# KiCad board [DFR1144][M027.00940](V1.0.0).kicad_pcb (continued)
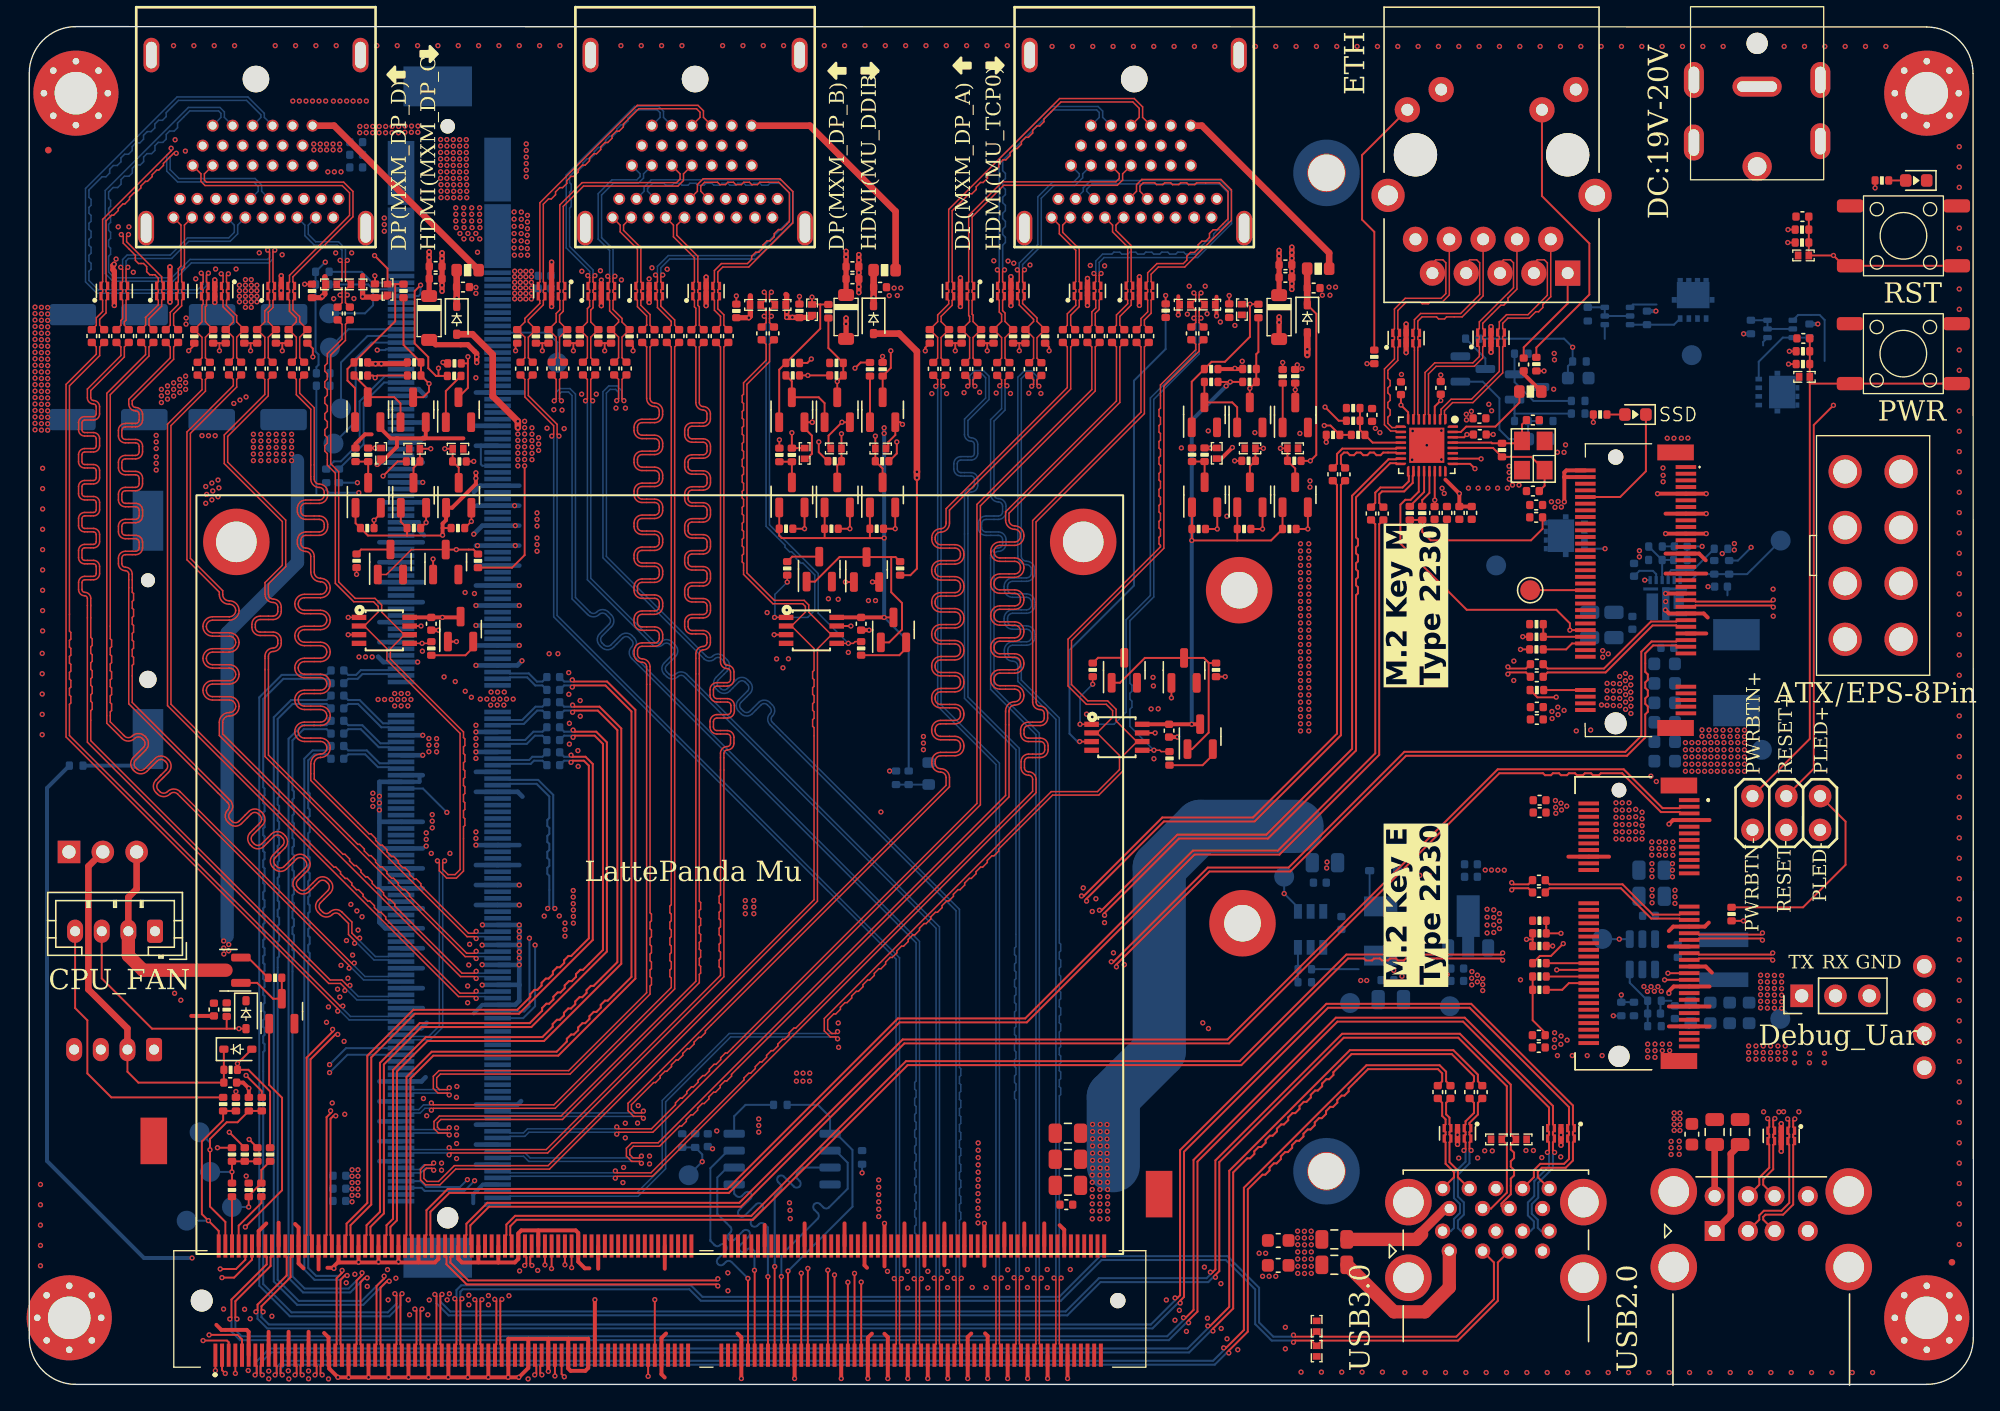
[diagram p0: board, top side]
## Routing (per net, layer and track width the routed paths; a pad name or vN(x,y) marks a point on that pad's centre or on a via; arc(x,y) is an arc through that point) (continued)
/LattePanda Module/REFCLK2-: length 72
  In1.SIG1 w0.154: v1(38.5,0.71) 38.37,0.84 38.37,1.36 38.48,1.47 A1.99
  In6.SIG3 w0.154: v1(38.5,0.71) 38.37,0.84 38.37,2.26 37.1,3.53 23.05,3.53 22.26,4.32 22.26,15.39 39.35,32.48 39.35,35.63 v1(39.47,35.75)
  In8.SIG4 w0.154: J11.153 36,45.51 36.1,45.41 38.22,45.41 39.35,44.28 39.35,35.87 v1(39.47,35.75)
/LattePanda Module/REFCLK3+: length 111.7
  In1.SIG1 w0.154: v1(130.93,32.41) 130.81,32.29 125.39,32.29 125.29,32.39 J6.47 ; A1.88 35.73,11.12 35.83,11.22 35.83,12.01 36.48,12.66 54.22,12.66 65.84,24.28 90.9,24.28 98.91,32.29 110.53,32.29 v1(110.65,32.41)
  In6.SIG3 w0.154: v1(130.93,32.41) 130.81,32.29 110.77,32.29 v1(110.65,32.41)
/LattePanda Module/REFCLK3-: length 111.7
  In1.SIG1 w0.154: A1.90 36.23,11.12 36.12,11.22 36.12,11.88 36.6,12.37 54.34,12.37 65.96,23.99 91.03,23.99 99.03,31.99 100.24,31.99 100.38,31.85 100.84,31.85 100.98,31.99 101.44,31.99 101.58,31.85 102.04,31.85 102.18,31.99 102.64,31.99 102.78,31.85 103.24,31.85 103.38,31.99 103.84,31.99 103.98,31.85 104.44,31.85 104.58,31.99 110.53,31.99 v1(110.65,31.87) ; J6.49 125.29,31.89 125.39,31.99 130.81,31.99 v1(130.93,31.87)
  In6.SIG3 w0.154: v1(130.93,31.87) 130.81,31.99 110.77,31.99 v1(110.65,31.87)
/LattePanda Module/SOC_SMBCLK: length 80.6
  In1.SIG1 w0.15: v1(40.23,8.98) A1.106
  In3.SIG2 w0.15: v1(40.23,8.98) 40.23,8.48 39.72,7.97 30.38,7.97 25.76,12.59 25.76,21.95 20.88,26.83 20.88,58.75 26.62,64.48 26.62,66.34 25.21,67.74 v1(24.64,67.74)
  In8.SIG4 w0.15: R105.1 v1(24.64,67.74)
/LattePanda Module/SOC_SMBDATA: length 82.2
  In1.SIG1 w0.15: v1(40.73,8.77) 40.73,8.78 A1.108
  In3.SIG2 w0.15: v1(40.73,8.77) 40.73,8.35 40.06,7.67 30.25,7.67 25.46,12.47 25.46,21.83 20.58,26.71 20.58,58.87 26.32,64.6 26.32,65.42 v1(24.75,66.99)
  In8.SIG4 w0.15: R104.1 22.3,67.2 22.51,66.99 v1(24.75,66.99)
/LattePanda Module/SUSCLK_WIFI: length 116
  In1.SIG1 w0.15: R49.2 113.26,51.61 114.66,51.61 v1(114.67,51.63) ; v1(115.2,33.11) 114.28,32.19 113.45,32.19 R53.2 ; A1.131 v1(46.48,0.6)
  In3.SIG2 w0.15: v1(46.48,0.6) 47.26,1.39 75.1,1.39 84.25,10.54 84.25,19.56 90.64,25.95 111.21,25.95 115.2,29.94 v1(115.2,33.11) 113.17,35.14 113.17,50.12 v1(114.67,51.63)
/LattePanda Module/USB_2_P7+: length 108.9
  In1.SIG1 w0.154: J6.3 124.04,43.39 123.93,43.29 122.66,43.29 119.74,46.21 110.28,46.21 89.98,25.91 65.59,25.91 53.32,13.64 34.4,13.64 32.83,12.07 32.83,11.22 32.73,11.12 A1.76
/LattePanda Module/USB_2_P7-: length 108.9
  In1.SIG1 w0.154: A1.78 33.12,10.5 33.12,11.94 34.52,13.35 53.44,13.35 65.71,25.62 90.11,25.62 110.4,45.91 113.68,45.91 113.83,45.77 114.28,45.77 114.43,45.91 114.88,45.91 115.03,45.77 115.48,45.77 115.63,45.91 116.08,45.91 116.23,45.77 116.68,45.77 116.83,45.91 117.28,45.91 117.43,45.77 117.88,45.77 118.03,45.91 119.62,45.91 122.54,42.99 123.93,42.99 124.04,42.89 J6.5
/LattePanda Module/~{PWR_SW}: length 167.5
  In1.SIG1 w0.15: A1.1 v1(13.98,1.03) ; R65.2 v1(132.12,76.65)
  In3.SIG2 w0.15: v1(13.98,1.03) 15.83,2.89 74.48,2.89 82.75,11.16 82.75,20.18 98.93,36.36 98.93,54.37 103.89,59.33 115.57,59.33 132.12,75.88 v1(132.12,76.65)
/M.2 E&M Key/CON_PCIE_TX_0+: length 11.9
  In1.SIG1 w0.154: J6.35 124.04,35.39 123.93,35.29 121.93,35.29 119.65,37.57 114.17,37.57 C41.2
/M.2 E&M Key/CON_PCIE_TX_0-: length 11.9
  In1.SIG1 w0.154: J6.37 124.04,34.89 123.93,34.99 121.81,34.99 119.53,37.27 114.17,37.27 C42.2
/M.2 E&M Key/CON_PCIE_TX_1+: length 12.4
  In1.SIG1 w0.154: C35.2 114.02,53.48 118.38,53.48 121.91,57.01 123.68,57.01 123.79,56.91 J5.49
/M.2 E&M Key/CON_PCIE_TX_1-: length 12.4
  In1.SIG1 w0.154: J5.47 123.79,57.41 123.68,57.31 121.79,57.31 118.26,53.78 114.02,53.78 C36.2
/MXM/PEX_RX0+: length 4
  In8.SIG4 w0.154: J11.149 36,46.51 36.1,46.62 37.66,46.62 37.9,46.85 38.54,46.85 C88.2
/MXM/PEX_RX0-: length 4
  In8.SIG4 w0.154: C87.2 38.54,47.15 37.78,47.15 37.54,46.91 36.1,46.91 36,47.01 J11.147
/MXM/PEX_RX1+: length 4.1
  In8.SIG4 w0.154: J11.143 36,48.01 36.1,48.12 37.36,48.12 37.98,48.74 38.54,48.74 C90.2
/MXM/PEX_RX1-: length 4.1
  In8.SIG4 w0.154: J11.141 36,48.51 36.1,48.41 37.24,48.41 37.86,49.03 38.54,49.03 C89.2
/MXM/PEX_RX2+: length 4.3
  In8.SIG4 w0.154: C92.2 38.54,50.62 38.14,50.62 37.14,49.62 36.1,49.62 36,49.51 J11.137
/MXM/PEX_RX2-: length 4.3
  In8.SIG4 w0.154: J11.135 36,50.01 36.1,49.91 37.02,49.91 38.02,50.91 38.54,50.91 C91.2
/MXM/PEX_RX3+: length 4.1
  In8.SIG4 w0.154: J11.123 36,53.01 36.1,53.12 37.39,53.12 38,52.51 38.54,52.51 C94.2
/MXM/PEX_RX3-: length 4.1
  In8.SIG4 w0.154: J11.121 36,53.51 36.1,53.41 37.51,53.41 38.12,52.8 38.54,52.8 C93.2
/MXM/PEX_STD_SW#: length 6.3
  In8.SIG4 w0.15: TP12.1 39.65,78.28 R110.2 J11.19
/MXM/PEX_TX0+: length 4.9
  In8.SIG4 w0.154: J11.150 27.1,46.26 26.99,46.37 26.19,46.37 25.22,47.33 23.95,47.33 C134.2
/MXM/PEX_TX0-: length 4.9
  In8.SIG4 w0.154: C133.2 23.95,47.63 25.35,47.63 26.31,46.66 26.99,46.66 27.1,46.76 J11.148
/MXM/PEX_TX1+: length 5
  In8.SIG4 w0.154: J11.144 27.1,47.76 26.99,47.87 26.25,47.87 24.89,49.22 23.95,49.22 C136.2
/MXM/PEX_TX1-: length 5
  In8.SIG4 w0.154: J11.142 27.1,48.26 26.99,48.16 26.37,48.16 25.01,49.52 23.95,49.52 C135.2
/MXM/PEX_TX2+: length 5.2
  In8.SIG4 w0.154: J11.138 27.1,49.26 26.99,49.37 26.44,49.37 24.69,51.11 23.95,51.11 C138.2
/MXM/PEX_TX2-: length 5.2
  In8.SIG4 w0.154: C137.2 23.95,51.41 24.81,51.41 26.56,49.66 26.99,49.66 27.1,49.76 J11.136
/MXM/PEX_TX3+: length 4.6
  In8.SIG4 w0.154: J11.122 27.1,53.26 26.99,53.37 25.02,53.37 24.66,53 23.95,53 C140.2
/MXM/PEX_TX3-: length 4.6
  In8.SIG4 w0.154: C139.2 23.95,53.3 24.54,53.3 24.9,53.66 26.99,53.66 27.1,53.76 J11.120
/MXM/PWR_LEVEL: length 8.8
  In8.SIG4 w0.15: J11.18 23.96,79.26 TP14.1 R108.1
/PSU/PWR_EN: length 7.8
  In3.SIG2 w0.15: v1(119.56,29.26) 119.56,32.48 119.41,32.63 v1(119.41,33.45)
  In8.SIG4 w0.15: TP5.1 118.14,33.45 v1(119.41,33.45) U10.4 ; v1(119.56,29.26) R63.2 R68.2
/PSU/PWR_LED: length 15.8
  In1.SIG1 w0.15: JP3.6 136.4,42.28 136.4,39.03 133.21,35.84 R64.2
/PSU/PWR_SW: length 47.2
  In1.SIG1 w0.15: 133.72,75.18 D10.2 133.72,78.58 C51.1 ; 133.72,75.18 133.72,48.5 JP3.4 ; 133.72,75.18 SW1.1 SW1.1
/PSU/RST_SW: length 56.4
  In1.SIG1 w0.15: JP3.5 134.02,46.26 134.02,72.08 v1(135.49,73.55) ; C54.1 D13.2 v1(135.49,84.81) 136.27,84.03 SW2.1 SW2.1
  In3.SIG2 w0.15: 135.49,73.55 v1(135.49,84.81)
/TH_PWM: length 75.2
  In1.SIG1 w0.15: v1(16.51,18.4) R137.1
  In3.SIG2 w0.15: v1(26.13,77.7) 21.14,77.7 11.72,68.28 11.72,61.16 19.38,53.5 19.38,21.27 v1(16.51,18.4)
  In8.SIG4 w0.15: J11.24 26.8,77.76 26.73,77.7 v1(26.13,77.7)
/USB2.0×2 & USB3.0×2/CON_USB1_D_N: length 124.1
  In1.SIG1 w0.154: v1(33.46,6.37) 33.58,6.25 33.58,3.02 33.48,2.92 A1.79 ; v1(132.05,19.94) 132.17,19.82 132.17,19.35 132.07,19.24 U15.2 132.07,18.87 132.17,18.77 132.17,18.57 132.07,18.47 U15.9 132.07,18.09 132.17,17.99 132.17,13.63 131.59,13.05 130.27,13.05 129.92,12.7 129.92,12.38 J2.2
  In6.SIG3 w0.154: v1(132.05,19.94) 132.17,20.06 132.17,21.2 130.83,22.54 60.81,22.54 42.95,4.68 34.29,4.68 33.58,5.39 33.58,6.25 v1(33.46,6.37)
/USB2.0×2 & USB3.0×2/CON_USB1_D_P: length 124.1
  In1.SIG1 w0.154: v1(132.59,19.94) 132.47,19.82 132.47,19.35 132.57,19.24 U15.1 132.57,18.87 132.47,18.77 132.47,18.57 132.57,18.47 U15.10 132.57,18.09 132.47,17.99 132.47,13.51 131.71,12.75 130.39,12.75 130.22,12.58 130.22,12.38 J2.3 ; A1.81 33.98,2.92 33.87,3.02 33.87,6.25 v1(34,6.37)
  In6.SIG3 w0.154: v1(34,6.37) 33.87,6.25 33.87,5.51 34.41,4.97 42.83,4.97 60.69,22.83 130.95,22.83 132.47,21.32 132.47,20.06 v1(132.59,19.94)
/USB2.0×2 & USB3.0×2/CON_USB2_D_N: length 120.2
  In1.SIG1 w0.154: v1(130.55,19.97) 130.67,19.84 130.67,19.35 130.57,19.24 U15.5 130.57,18.87 130.67,18.77 130.67,18.57 130.57,18.47 U15.6 130.57,18.09 130.67,17.99 130.67,16.28 129.92,15.53 129.92,15 J2.6 ; v1(51.71,7.93) 51.59,7.81 32.96,7.81 31.62,9.15 31.62,9.56 31.73,9.67 A1.72
  In6.SIG3 w0.154: v1(51.71,7.93) 51.59,7.81 50.76,7.81 50.16,8.4 50.16,9.72 61.79,21.34 66.98,21.34 67.08,21.24 67.58,21.24 67.68,21.34 68.18,21.34 68.28,21.24 68.78,21.24 68.88,21.34 69.38,21.34 69.48,21.24 69.98,21.24 70.08,21.34 70.58,21.34 70.68,21.24 71.18,21.24 71.28,21.34 71.78,21.34 71.88,21.24 72.38,21.24 72.48,21.34 72.98,21.34 73.08,21.24 73.58,21.24 73.68,21.34 74.18,21.34 74.28,21.24 74.78,21.24 74.88,21.34 75.38,21.34 75.48,21.24 75.98,21.24 76.08,21.34 76.58,21.34 76.68,21.24 77.18,21.24 77.28,21.34 77.78,21.34 77.88,21.24 78.38,21.24 78.48,21.34 78.98,21.34 79.08,21.24 79.58,21.24 79.68,21.34 80.18,21.34 80.28,21.24 80.78,21.24 80.88,21.34 81.38,21.34 81.48,21.24 81.98,21.24 82.08,21.34 82.58,21.34 82.68,21.24 83.18,21.24 83.28,21.34 83.78,21.34 83.88,21.24 84.38,21.24 84.48,21.34 84.98,21.34 85.08,21.24 85.58,21.24 85.68,21.34 86.18,21.34 86.28,21.24 86.78,21.24 86.88,21.34 87.38,21.34 87.48,21.24 87.98,21.24 88.08,21.34 88.58,21.34 88.68,21.24 89.18,21.24 89.28,21.34 89.78,21.34 89.88,21.24 90.38,21.24 90.48,21.34 90.98,21.34 91.08,21.24 91.58,21.24 91.68,21.34 92.18,21.34 92.28,21.24 92.78,21.24 92.88,21.34 130.03,21.34 130.67,20.7 130.67,20.09 v1(130.55,19.97)
/USB2.0×2 & USB3.0×2/CON_USB2_D_P: length 120.2
  In1.SIG1 w0.154: A1.70 31.23,9.67 31.33,9.56 31.33,9.03 32.84,7.51 51.59,7.51 v1(51.71,7.39) ; v1(131.09,19.97) 130.97,19.84 130.97,19.35 131.07,19.24 U15.4 131.07,18.87 130.97,18.77 130.97,18.57 131.07,18.47 U15.7 131.07,18.09 130.97,17.99 130.97,16.16 130.22,15.41 130.22,15 J2.7
  In6.SIG3 w0.154: v1(51.71,7.39) 51.59,7.51 50.64,7.51 49.87,8.28 49.87,9.84 61.67,21.64 130.15,21.64 130.97,20.82 130.97,20.09 v1(131.09,19.97)
/USB2.0×2 & USB3.0×2/CON_USB3_D_N: length 94.3
  In1.SIG1 w0.154: A1.73 31.98,2.92 32.08,3.02 32.08,6.31 v1(31.96,6.43) ; J13.2 109.99,9.16 109.99,6.4 107.18,3.58 97.07,3.58 D36.2 96.29,3.58 95.06,3.58 v1(94.94,3.71)
  In8.SIG4 w0.154: v1(31.96,6.43) 32.08,6.55 32.08,7.09 32.43,7.44 49.69,7.44 50.55,6.58 77.35,6.58 80.41,9.63 89.98,9.63 92.36,7.26 92.36,4.65 93.42,3.58 94.82,3.58 v1(94.94,3.71)
/USB2.0×2 & USB3.0×2/CON_USB3_D_P: length 94.3
  In1.SIG1 w0.154: v1(32.5,6.43) 32.37,6.31 32.37,3.02 32.48,2.92 A1.75 ; J13.3 110.29,9.16 110.29,6.28 107.3,3.29 97.07,3.29 D35.2 96.29,3.29 95.06,3.29 v1(94.94,3.17)
  In8.SIG4 w0.154: v1(94.94,3.17) 94.82,3.29 93.3,3.29 92.06,4.53 92.06,7.14 89.86,9.34 80.53,9.34 77.47,6.28 50.43,6.28 49.57,7.14 32.55,7.14 32.37,6.96 32.37,6.55 v1(32.5,6.43)
/USB2.0×2 & USB3.0×2/CON_USB3_SSRX_N: length 137.3
  In1.SIG1 w0.154: v1(86.68,5.01) 86.85,5.01 87.44,5.59 87.44,16.86 98.12,27.55 107.8,27.55 114.43,20.92 114.43,19.54 114.53,19.43 U25.4 114.53,19.06 114.43,18.96 114.43,18.76 114.53,18.66 U25.7 114.53,18.28 114.43,18.18 114.43,17.55 v1(114.55,17.43) ; v1(15.6,4.91) 15.48,5.03 15.48,6.25 18.12,8.89 18.12,9.56 18.23,9.67 A1.18
  In8.SIG4 w0.154: v1(15.6,4.91) 15.48,4.79 15.48,4.08 15.94,3.61 85.46,3.61 86.68,4.84 v1(86.68,5.01) ; J13.5 113.54,11.51 113.29,11.76 113.29,12.36 112.84,12.81 112.84,13.54 113.32,14.02 113.32,15.15 114.43,16.26 114.43,17.31 v1(114.55,17.43)
/USB2.0×2 & USB3.0×2/CON_USB3_SSRX_P: length 137.3
  In1.SIG1 w0.154: v1(15.06,4.91) 15.18,5.03 15.18,6.37 17.83,9.02 17.83,9.56 17.73,9.67 A1.16 ; v1(114.01,17.43) 114.13,17.55 114.13,18.18 114.03,18.28 U25.6 114.03,18.66 114.13,18.76 114.13,18.96 114.03,19.06 U25.5 114.03,19.43 114.13,19.54 114.13,20.8 107.68,27.25 98.24,27.25 87.73,16.74 87.73,5.47 87.06,4.8 v1(87.06,4.63)
  In8.SIG4 w0.154: v1(114.01,17.43) 114.13,17.31 114.13,16.38 113.02,15.27 113.02,14.14 112.55,13.67 112.55,12.69 112.99,12.24 112.99,11.77 112.73,11.51 J13.6 ; v1(15.06,4.91) 15.18,4.79 15.18,3.96 15.82,3.32 85.58,3.32 86.89,4.63 v1(87.06,4.63)
/USB2.0×2 & USB3.0×2/CON_USB3_SSTX_N: length 12.1
  In1.SIG1 w0.154: v1(108.28,17.58) 108.16,17.7 108.16,18.18 108.26,18.28 U24.10 108.26,18.66 108.16,18.76 108.16,18.96 108.26,19.06 U24.1 108.26,19.43 108.16,19.54 108.16,19.64 108.79,20.27 108.79,21.15 C142.2
  In8.SIG4 w0.154: J13.8 107.52,11.51 107.29,11.74 107.29,12.31 107.74,12.76 107.74,13.67 107.29,14.12 107.29,15.74 108.16,16.61 108.16,17.45 v1(108.28,17.58)
/USB2.0×2 & USB3.0×2/CON_USB3_SSTX_P: length 12.1
  In1.SIG1 w0.154: C143.2 108.5,21.15 108.5,20.39 107.86,19.76 107.86,19.54 107.76,19.43 U24.2 107.76,19.06 107.86,18.96 107.86,18.76 107.76,18.66 U24.9 107.76,18.28 107.86,18.18 107.86,17.7 v1(107.74,17.58)
  In8.SIG4 w0.154: v1(107.74,17.58) 107.86,17.45 107.86,16.73 106.99,15.86 106.99,13.99 107.44,13.54 107.44,12.88 106.99,12.43 106.99,11.75 106.75,11.51 J13.9
/USB2.0×2 & USB3.0×2/CON_USB4_D_N: length 111.8
  In1.SIG1 w0.154: A1.67 30.48,2.92 30.58,3.02 30.58,6.64 v1(30.46,6.76) ; v1(89.08,8.05) 89.08,8.22 89.37,8.51 89.37,16.7 98.71,26.04 107.32,26.04 110.96,22.4 110.96,18.79 D34.2 110.97,18.02 110.97,14.4 109.78,13.21 J13.11
  In8.SIG4 w0.154: v1(89.08,8.05) 88.91,8.05 88.54,7.68 80.45,7.68 77.95,5.18 31.49,5.18 30.58,6.09 30.58,6.64 v1(30.46,6.76)
/USB2.0×2 & USB3.0×2/CON_USB4_D_P: length 111.9
  In1.SIG1 w0.154: v1(88.7,8.43) 88.87,8.43 89.08,8.63 89.08,16.82 98.59,26.34 107.44,26.34 111.26,22.52 111.26,18.79 D33.2 111.26,18.02 111.26,17.65 111.5,17.41 111.5,17 111.26,16.76 111.26,16.35 111.5,16.11 111.5,15.7 111.26,15.46 111.26,14.28 110.56,13.58 110.56,13.39 110.74,13.21 J13.12 ; v1(31,6.76) 30.87,6.64 30.87,3.02 30.98,2.92 A1.69
  In8.SIG4 w0.154: v1(31,6.76) 30.87,6.64 30.87,6.22 31.61,5.48 77.83,5.48 80.33,7.98 88.42,7.98 88.7,8.26 v1(88.7,8.43)
/USB2.0×2 & USB3.0×2/CON_USB4_SSRX_N: length 133.6
  In1.SIG1 w0.154: v1(17.56,5.45) 17.44,5.57 17.44,5.87 19.62,8.05 19.62,9.56 19.73,9.67 A1.24 ; v1(86.05,6.49) 86.22,6.49 86.42,6.69 86.42,17.6 97.41,28.59 108.29,28.59 115.93,20.95 115.93,19.54 116.03,19.43 U25.1 116.03,19.06 115.93,18.96 115.93,18.76 116.03,18.66 U25.10 116.03,18.28 115.93,18.18 115.93,16.82 115.38,16.27 113.59,16.27 113.29,15.97 113.29,15.56 J13.14
  In8.SIG4 w0.154: v1(86.05,6.49) 86.05,6.32 84.23,4.5 17.99,4.5 17.44,5.05 17.44,5.33 v1(17.56,5.45)
/USB2.0×2 & USB3.0×2/CON_USB4_SSRX_P: length 133.6
  In1.SIG1 w0.154: J13.15 112.99,15.56 112.99,16.09 113.47,16.57 115.26,16.57 115.63,16.94 115.63,18.18 115.53,18.28 U25.9 115.53,18.66 115.63,18.76 115.63,18.96 115.53,19.06 U25.2 115.53,19.43 115.63,19.54 115.63,20.83 108.17,28.29 97.53,28.29 86.72,17.48 86.72,6.57 86.43,6.28 v1(86.43,6.11) ; v1(17.02,5.45) 17.14,5.57 17.14,5.99 19.33,8.18 19.33,9.56 19.23,9.67 A1.22
  In8.SIG4 w0.154: v1(86.43,6.11) 86.26,6.11 84.35,4.21 17.87,4.21 17.14,4.93 17.14,5.33 v1(17.02,5.45)
/USB2.0×2 & USB3.0×2/CON_USB4_SSTX_N: length 7.8
  In1.SIG1 w0.154: C144.2 106.4,21.15 106.4,20.29 106.66,20.03 106.66,19.54 106.76,19.43 U24.4 106.76,19.06 106.66,18.96 106.66,18.76 106.76,18.66 U24.7 106.76,18.28 106.66,18.18 106.66,16.7 107.29,16.07 107.29,15.56 J13.17
/USB2.0×2 & USB3.0×2/CON_USB4_SSTX_P: length 7.8
  In1.SIG1 w0.154: C145.2 106.11,21.15 106.11,20.17 106.36,19.91 106.36,19.54 106.26,19.43 U24.5 106.26,19.06 106.36,18.96 106.36,18.76 106.26,18.66 U24.6 106.26,18.28 106.36,18.18 106.36,16.58 106.99,15.95 106.99,15.56 J13.18
/~{CLKREQ}: length 132.7
  In1.SIG1 w0.15: 112.9,33.43 v1(112.44,33.43) ; 112.9,33.43 R51.1 ; 112.9,33.43 112.9,32.93 R111.2 ; R46.1 112.17,56.16 v1(112.16,56.17) ; A1.100 v1(38.73,8.97)
  In3.SIG2 w0.15: v1(112.44,33.43) 112.44,55.89 v1(112.16,56.17) ; v1(38.73,8.97) 38.73,8.59 39.04,8.28 39.4,8.28 39.65,8.52 39.65,9.71 38.73,10.63 38.73,27.92 53.81,43 v1(63.96,43)
  In6.SIG3 w0.15: 112.17,56.18 v1(112.16,56.17) 111.71,56.17 98.54,43 v1(63.96,43)
/~{PLT_RST}: length 242.8
  In1.SIG1 w0.15: U5.19 104.35,67.06 103.74,66.45 103.34,66.45 102.97,66.09 102.97,63.17 107.95,58.19 114.68,58.19 115.7,57.17 v1(115.7,56.66) J5.50 ; v1(114.71,31.14) 117.11,31.14 J6.52 ; v1(40.18,0.57) 39.98,0.78 A1.105
  In3.SIG2 w0.15: v1(115.7,56.66) 112.87,53.83 112.87,28.03 111.08,26.25 90.52,26.25 83.95,19.68 83.95,10.66 74.98,1.69 41.3,1.69 v1(40.18,0.57) ; v1(114.71,31.14) 112.87,31.14
  In6.SIG3 w0.15: 115.72,56.66 v1(115.7,56.66) 113.87,54.83 110.79,54.83 98.54,42.58 63.47,42.58 63.07,42.97 v1(31.36,42.97)
  In8.SIG4 w0.15: v1(31.36,42.97) 29.57,44.76 J11.156
/~{PWR_LED}/~{PSON}: length 273.5
  In1.SIG1 w0.15: R161.1 62.44,76.77 v1(62.01,76.34) ; v1(29.39,82.58) 28.94,82.13 28.94,78.2 29.96,77.18 29.96,76.34 30.54,75.76 30.73,75.76 ; v1(16.23,11.83) 18.98,14.58 18.98,21.53 18.01,22.5 Q10.1 ; v1(13.05,3.29) 13.05,3.29 14.85,3.29 14.98,3.17 A1.5 ; R20.1 v1(94.13,76.77) ; v1(30.73,76.34) 30.73,75.76 ; 30.73,75.76 R118.1
  In3.SIG2 w0.15: v1(16.23,11.82) 19.68,15.28 19.68,53.63 12.02,61.29 12.02,67.92 20.14,76.04 25.79,76.04 25.8,76.04 26.15,76.04 26.15,76.04 30.43,76.04 v1(30.73,76.34) v1(62.01,76.34) 64.82,76.34 66.83,78.34 94.13,78.34 ; v1(94.24,36.87) 98.59,41.21 98.59,76.24 96.49,78.34 94.13,78.34 ; 94.13,78.34 v1(94.13,76.77) ; 16.22,11.83 13.15,11.83 11.12,9.8 11.12,5.22 v1(13.05,3.29)
  In6.SIG3 w0.15: v1(118.96,27.69) 116.69,29.96 110.5,29.96 103.59,36.87 v1(94.24,36.87)
  In8.SIG4 w0.15: U16.4 95.28,35.83 v1(94.24,36.87) TP19.1 ; R63.1 v1(118.96,27.69) ; v1(29.39,82.58) 29.39,81.91 29.23,81.76 J11.8
/~{RST_SW}: length 177.2
  In1.SIG1 w0.15: A1.3 14.48,1.06 v1(14.72,0.82) ; R71.2 v1(132.06,85.78)
  In3.SIG2 w0.15: v1(132.06,85.78) 132.61,85.23 132.61,75.94 115.69,59.03 104.01,59.03 99.23,54.25 99.23,36.24 83.05,20.06 83.05,11.04 74.6,2.59 15.95,2.59 14.72,1.36 v1(14.72,0.82)
/~{SLP_S4_N}: length 160.6
  In1.SIG1 w0.15: A1.7 v1(15.48,0.82)
  In3.SIG2 w0.15: v1(15.48,0.82) 15.48,1.44 16.32,2.29 74.73,2.29 83.35,10.91 83.35,19.93 99.53,36.11 99.53,54.12 104.14,58.73 115.82,58.73 121.71,64.62 127.57,64.62 v1(129.31,62.88)
  In8.SIG4 w0.15: v1(129.31,62.88) 128.32,61.89 R74.1
/~{WAKE}: length 131.7
  In1.SIG1 w0.15: J6.55 122.81,30.39 v1(122.81,30.39) ; A1.103 v1(39.48,0.63) ; v1(111.99,55.21) 111.99,55.21 R100.1
  In3.SIG2 w0.15: v1(39.48,0.63) 39.48,1.01 40.46,1.99 74.85,1.99 83.65,10.79 83.65,19.81 90.39,26.55 110.96,26.55 111.99,27.58 v1(111.99,30.39) v1(111.99,55.21)
  In6.SIG3 w0.15: v1(122.81,30.39) v1(111.99,30.39)
PWR_SRC: length 35.5
  In8.SIG4 w0.3: 107.78,39.06 C84.1
  In8.SIG4 w4: 95.21,41.92 87.95,41.92 84.86,38.83 84.86,25.03 81.41,21.58 81.41,16.43
  vias: v1(0.43,80.93) v1(0.43,80.44) v1(0.43,79.96) v1(0.43,79.47) v1(0.43,78.99) v1(0.43,78.5) v1(0.43,78.02) v1(0.43,77.53) v1(0.43,77.05) v1(0.43,76.56) v1(0.43,76.08) v1(0.43,75.59) v1(0.43,75.11) v1(0.43,74.62) v1(0.43,74.14) v1(0.43,73.65) v1(0.43,73.17) v1(0.43,72.68) v1(0.43,72.2) v1(0.43,71.71) v1(0.91,80.91) v1(0.91,80.42) v1(0.91,79.94) v1(0.91,79.45) v1(0.91,78.97) v1(0.91,78.48) v1(0.91,78) v1(0.91,77.51) v1(0.91,77.03) v1(0.91,76.54) v1(0.91,76.06) v1(0.91,75.57) v1(0.91,75.09) v1(0.91,74.6) v1(0.91,74.12) v1(0.91,73.63) v1(0.91,73.15) v1(0.91,72.66) v1(0.91,72.18) v1(0.91,71.69) v1(1.38,80.9) v1(1.38,80.41) v1(1.38,79.93) v1(1.38,79.44) v1(1.38,78.96) v1(1.38,78.47) v1(1.38,77.99) v1(1.38,77.5) v1(1.38,77.02) v1(1.38,76.53) v1(1.38,76.05) v1(1.38,75.56) v1(1.38,75.08) v1(1.38,74.59) v1(1.38,74.11) v1(1.38,73.62) v1(1.38,73.14) v1(1.38,72.65) v1(1.38,72.17) v1(1.38,71.68) v1(24.82,94.5) v1(24.81,94.03) v1(25.31,94.5) v1(25.3,94.03) v1(25.79,94.5) v1(25.78,94.03) v1(26.28,94.5) v1(26.27,94.03) v1(26.76,94.5) v1(26.75,94.03) v1(27.24,94.03) v1(27.25,94.5) v1(27.74,94.5) v1(27.73,94.03) v1(28.22,94.53) v1(28.21,94.06) v1(28.7,94.53) v1(28.69,94.06) v1(29.19,94.53) v1(29.18,94.06) v1(30.89,93.52) v1(30.89,93.04) v1(30.89,92.55) v1(30.89,92.07) v1(30.89,91.58) v1(30.89,91.1) v1(30.89,90.61) v1(30.92,90.13) v1(30.92,89.64) v1(30.92,89.16) v1(31.36,93.51) v1(31.36,93.03) v1(31.36,92.54) v1(31.36,92.06) v1(31.36,91.57) v1(31.36,91.09) v1(31.36,90.6) v1(31.39,90.12) v1(31.39,89.63) v1(31.39,89.15) v1(31.84,93.51) v1(31.84,93.03) v1(31.84,92.54) v1(31.84,92.06) v1(31.84,91.57) v1(31.84,91.09) v1(31.84,90.6) v1(31.87,90.12) v1(31.87,89.63) v1(31.87,89.15) v1(32.32,93.51) v1(32.32,93.02) v1(32.32,92.54) v1(32.32,92.05) v1(32.32,91.57) v1(32.32,91.08) v1(32.32,90.6) v1(32.35,90.11) v1(32.35,89.63) v1(32.35,89.14) v1(32.82,93.51) v1(32.82,93.02) v1(32.82,92.54) v1(32.82,92.05) v1(32.82,91.57) v1(32.82,91.08) v1(32.82,90.6) v1(32.85,90.11) v1(32.85,89.63) v1(32.85,89.14) v1(79.83,15.72) v1(79.83,15.18) v1(79.83,14.64) v1(79.83,14.1) v1(79.83,13.56) v1(79.83,13.02) v1(79.83,12.44) v1(79.85,19.53) v1(79.85,18.99) v1(79.85,18.45) v1(79.85,17.91) v1(79.85,17.37) v1(79.85,16.83) v1(79.85,16.25) v1(80.43,19.53) v1(80.43,18.99) v1(80.43,18.45) v1(80.43,17.91) v1(80.43,17.37) v1(80.43,16.83) v1(80.43,16.25) v1(80.4,15.72) v1(80.4,15.18) v1(80.4,14.64) v1(80.4,14.1) v1(80.4,13.56) v1(80.4,13.02) v1(80.4,12.44) v1(80.94,19.52) v1(80.94,18.98) v1(80.94,18.44) v1(80.94,17.9) v1(80.94,17.36) v1(80.94,16.82) v1(80.94,16.24) v1(80.98,15.72) v1(80.98,15.18) v1(80.98,14.64) v1(80.98,14.1) v1(80.98,13.56) v1(80.98,13.02) v1(80.98,12.44) v1(95.47,63.15) v1(95.47,62.61) v1(95.47,62.07) v1(95.47,61.53) v1(95.47,60.99) v1(95.47,60.45) v1(95.47,59.91) v1(95.47,59.36) v1(95.47,58.82) v1(95.47,58.28) v1(95.47,57.74) v1(95.47,57.2) v1(95.47,56.66) v1(95.47,56.12) v1(95.47,55.58) v1(95.47,55.04) v1(95.47,54.5) v1(95.47,53.96) v1(95.47,53.42) v1(95.47,52.88) v1(95.47,52.33) v1(95.47,51.79) v1(95.47,51.25) v1(95.47,50.71) v1(95.47,50.17) v1(95.47,49.63) v1(95.47,49.09) v1(96.09,63.15) v1(96.09,62.61) v1(96.09,62.07) v1(96.09,61.53) v1(96.09,60.99) v1(96.09,60.45) v1(96.09,59.91) v1(96.09,59.36) v1(96.09,58.82) v1(96.09,58.28) v1(96.09,57.74) v1(96.09,57.2) v1(96.09,56.66) v1(96.09,56.12) v1(96.09,55.58) v1(96.09,55.04) v1(96.09,54.5) v1(96.09,53.96) v1(96.09,53.42) v1(96.09,52.88) v1(96.09,52.33) v1(96.09,51.79) v1(96.09,51.25) v1(96.09,50.71) v1(96.09,50.17) v1(96.09,49.63) v1(96.09,49.09)